# Altium PCB RP2040_ESP32-C3 Dev Board.PcbDoc (part 1 of 2)
Units mm, origin at the board's own origin, x right, y up, seen from the top; angles counter-clockwise.
Board outline 74.1 x 34.1 mm, 6 copper layers (Top Layer, Layer 2, GND Plane, PWR Plane, Layer 5, Bottom Layer), stack 1.412 mm thick; 136 components, 117 nets, 551 pads, 238 vias.
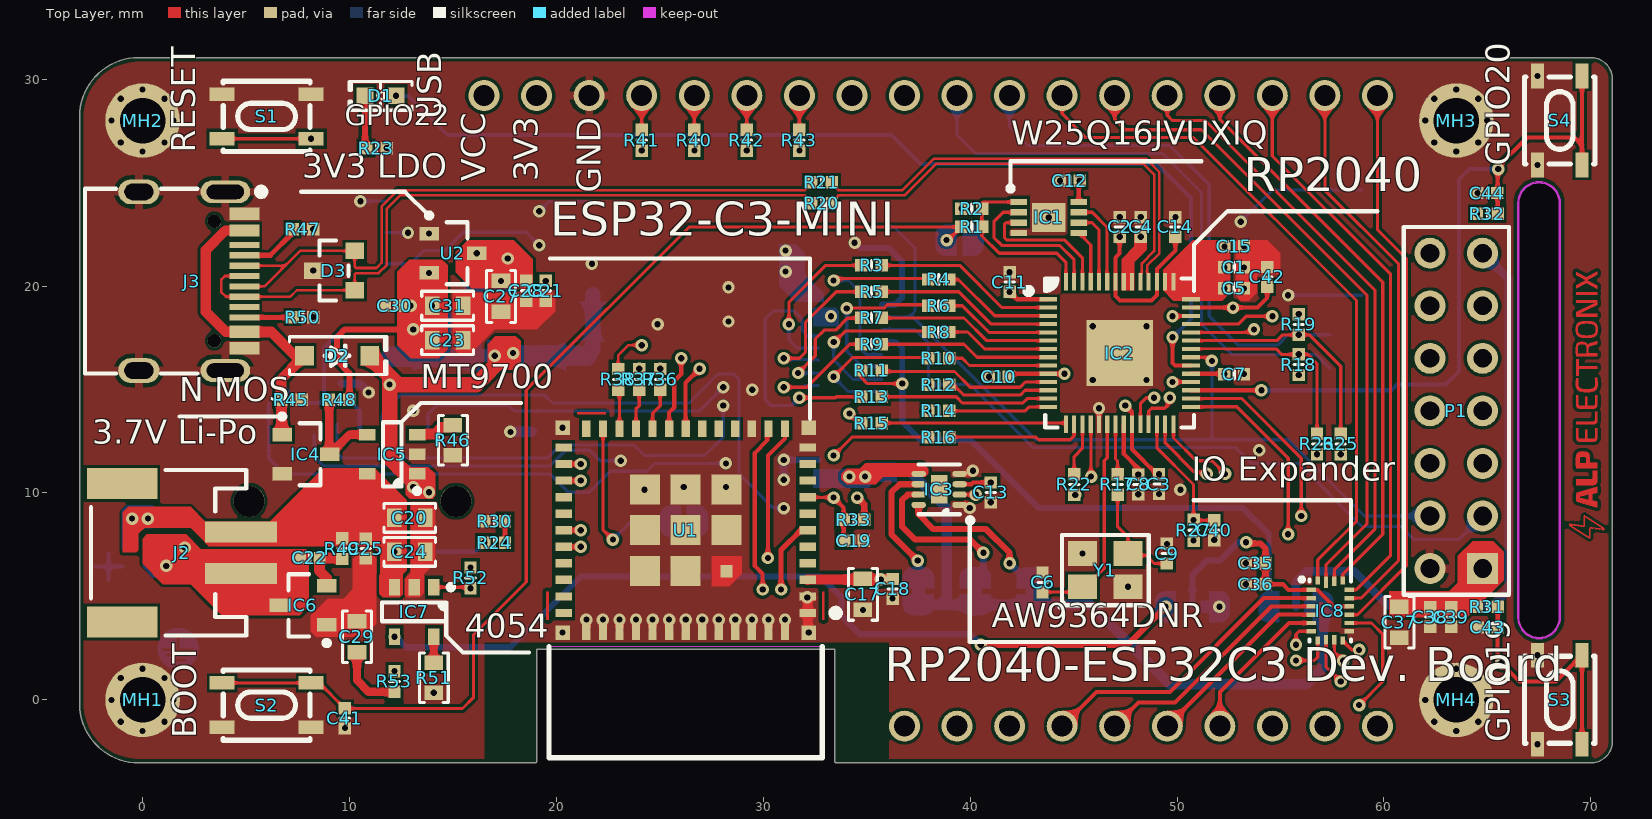
[diagram p0: Top Layer view]
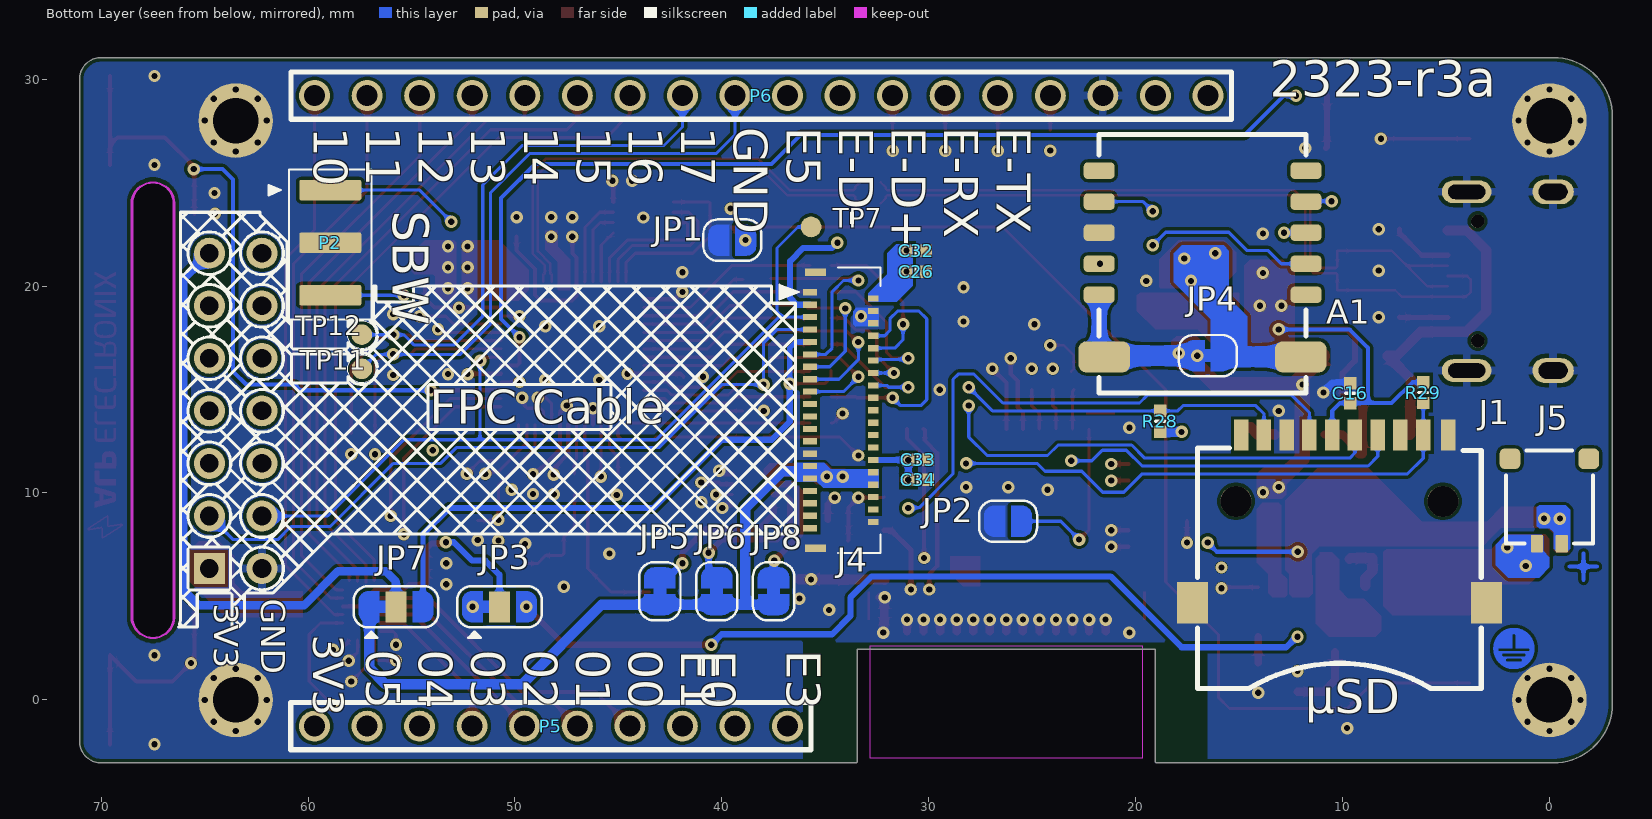
[diagram p1: Bottom Layer view, seen from below]
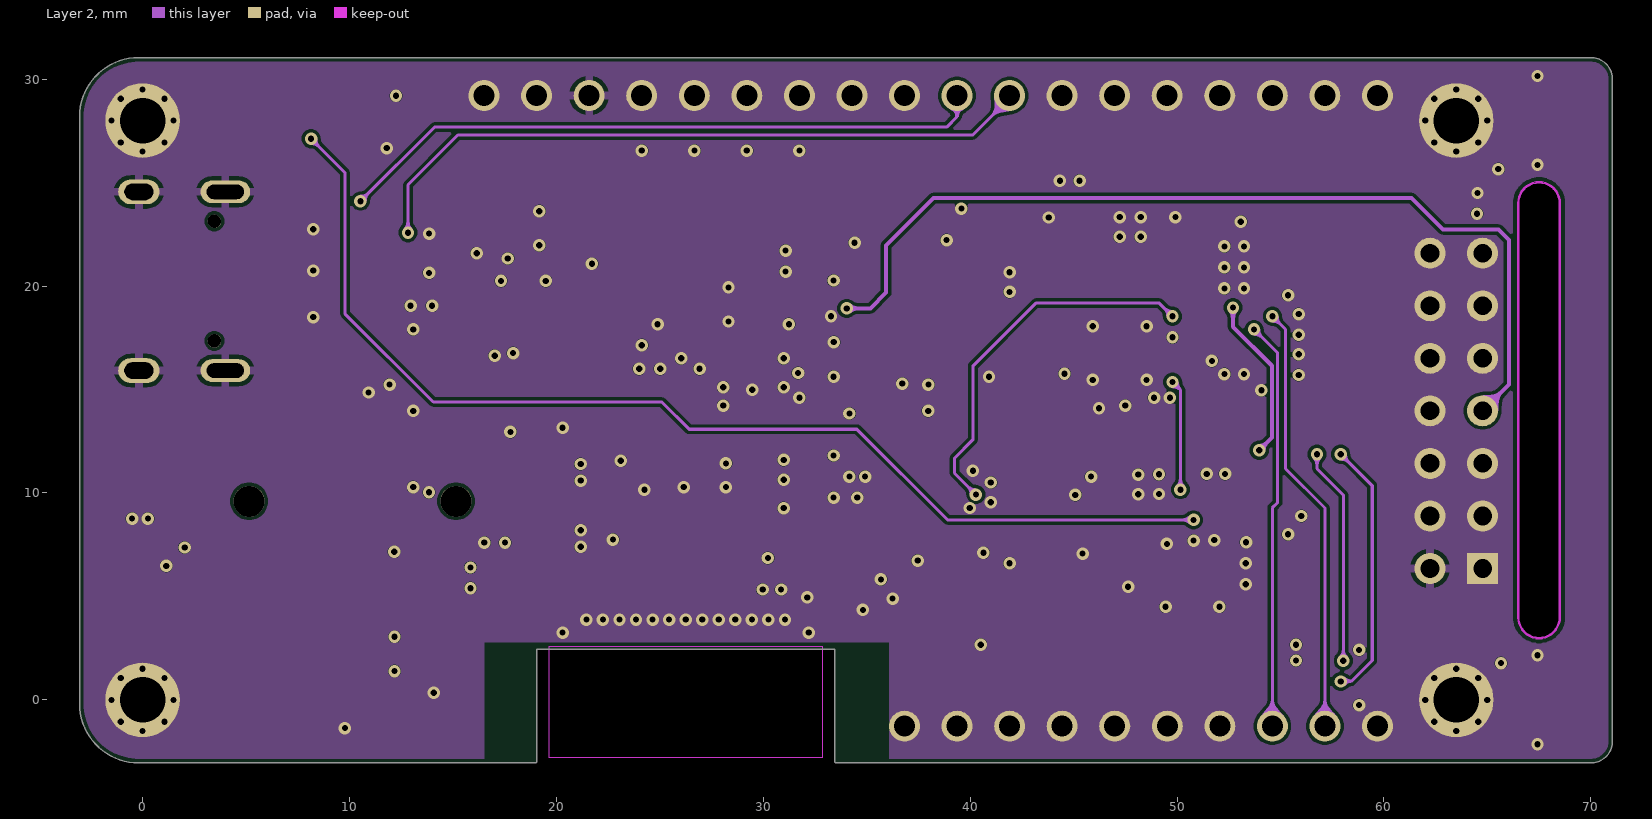
[diagram p2: Layer 2]
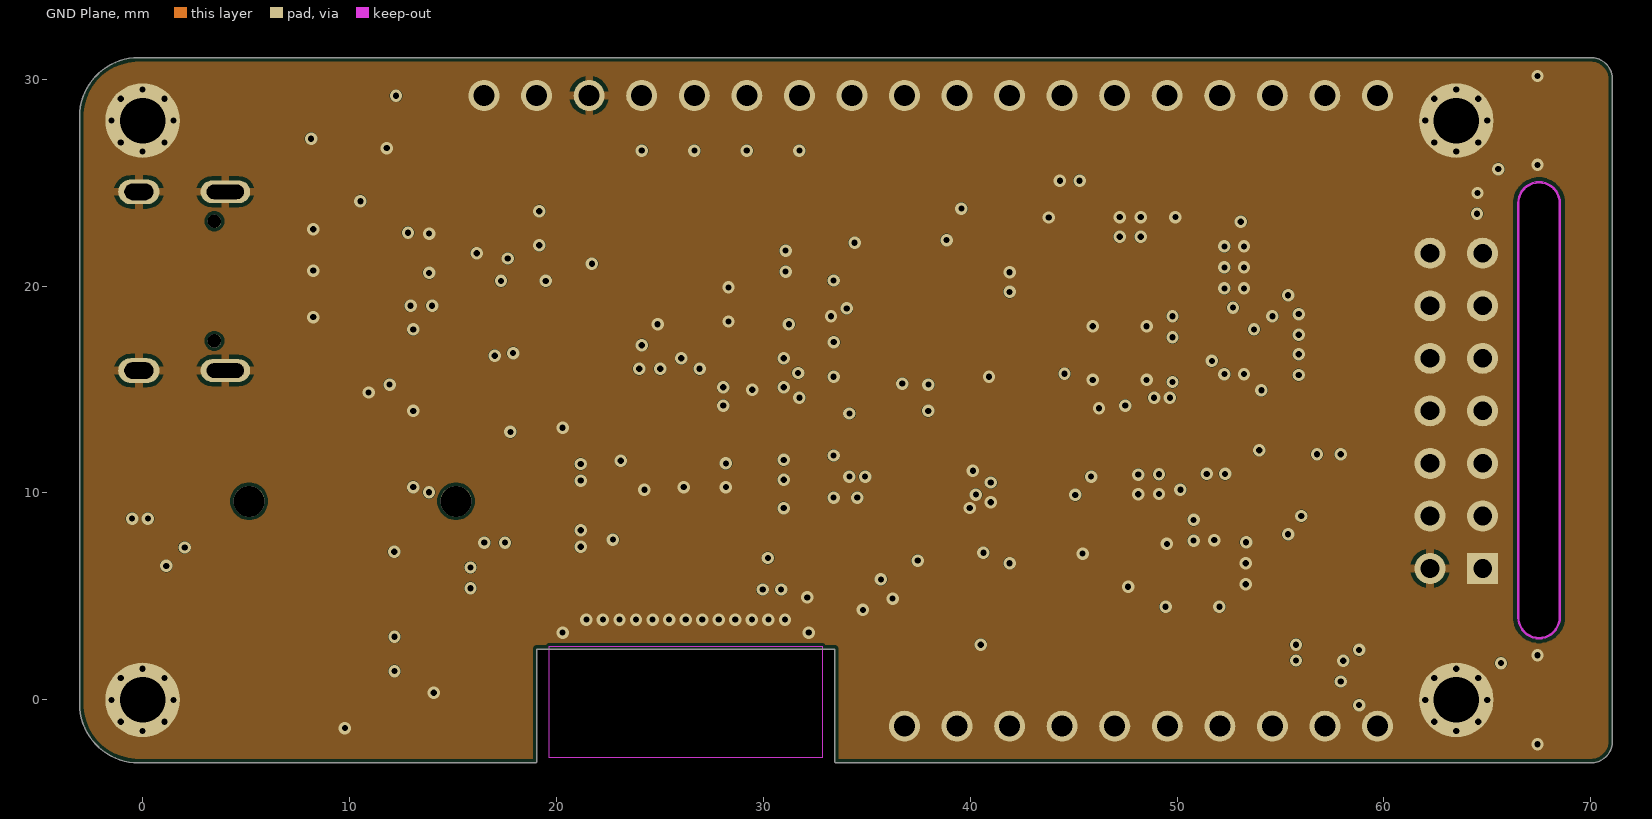
[diagram p3: GND Plane]
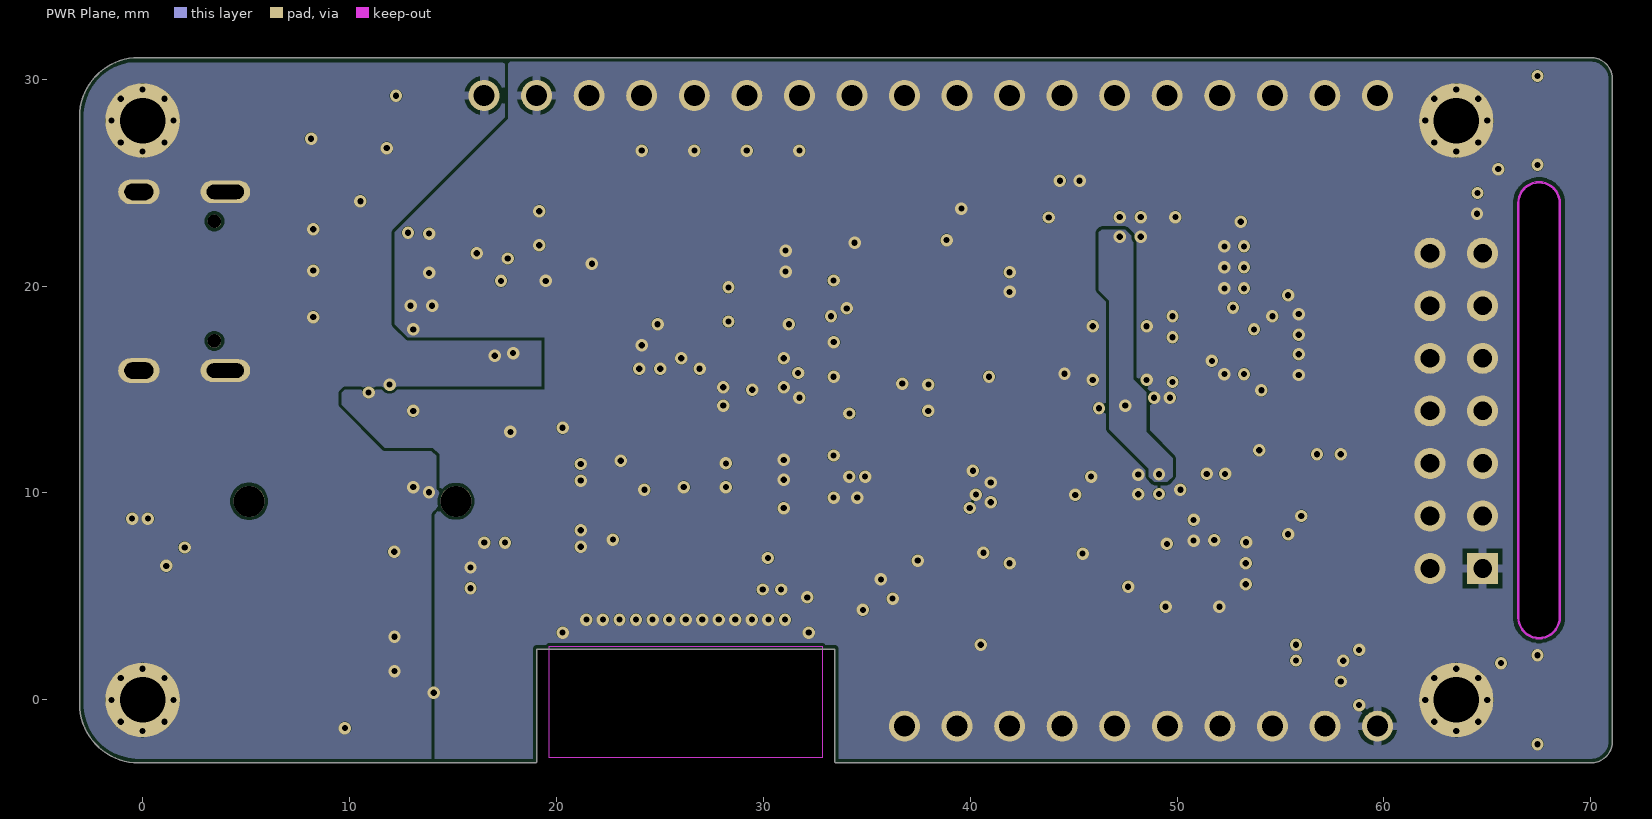
[diagram p4: PWR Plane]
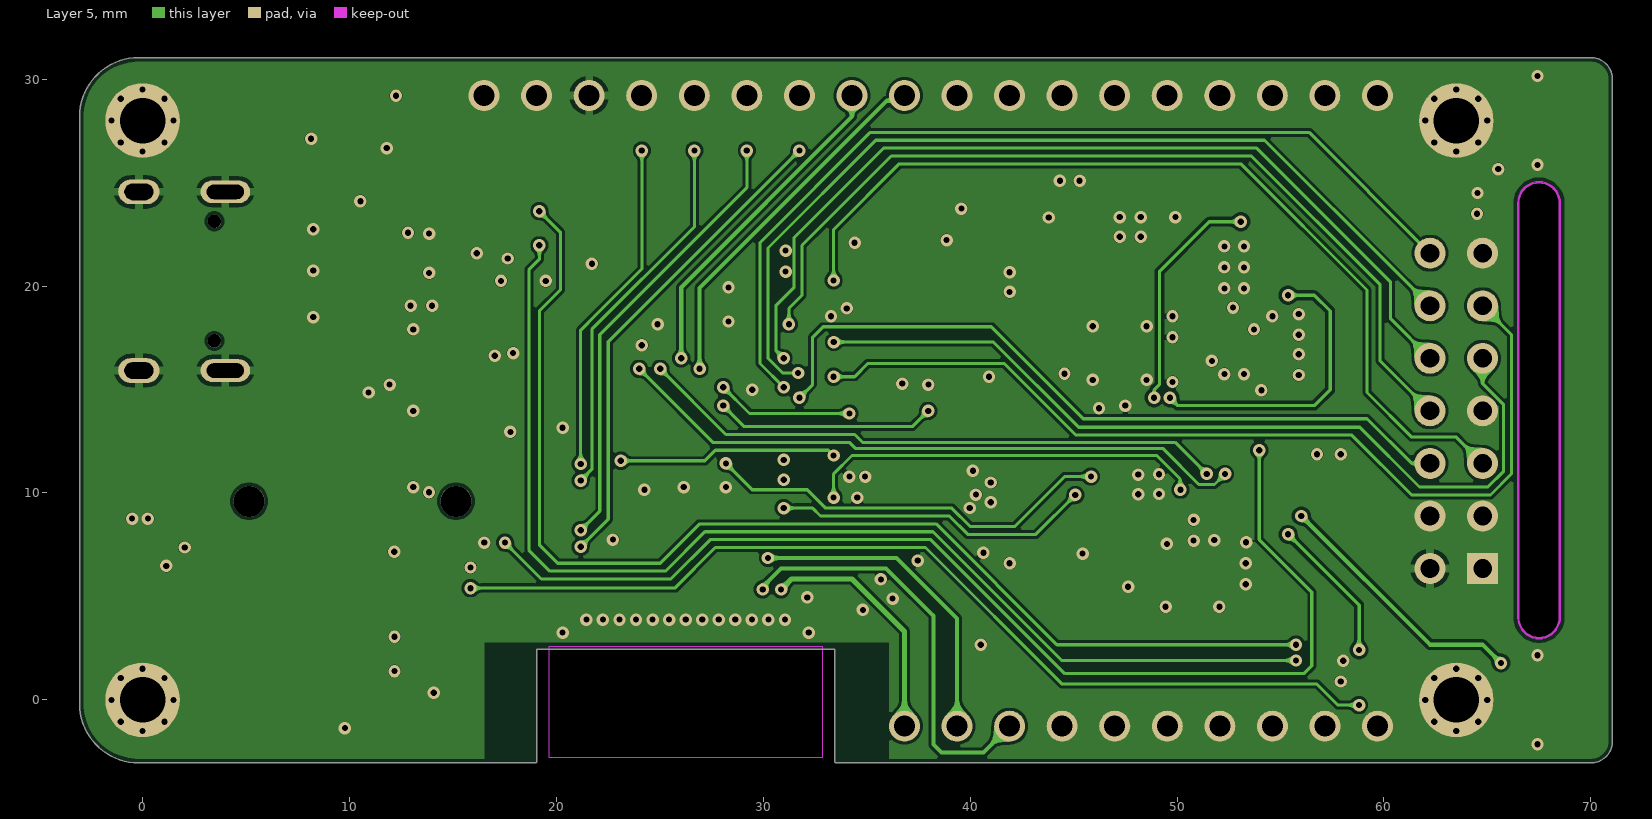
[diagram p5: Layer 5]
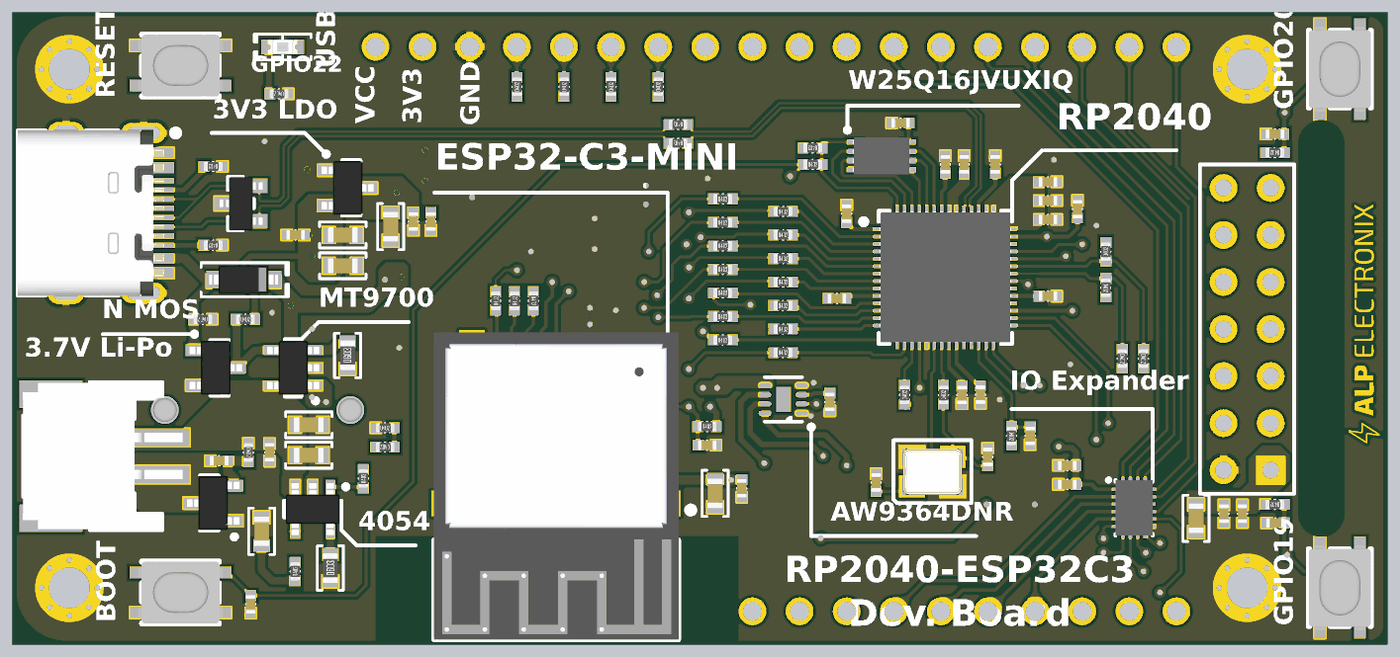
[diagram p7: 3D render of the assembled board from above, using the file's embedded part models]
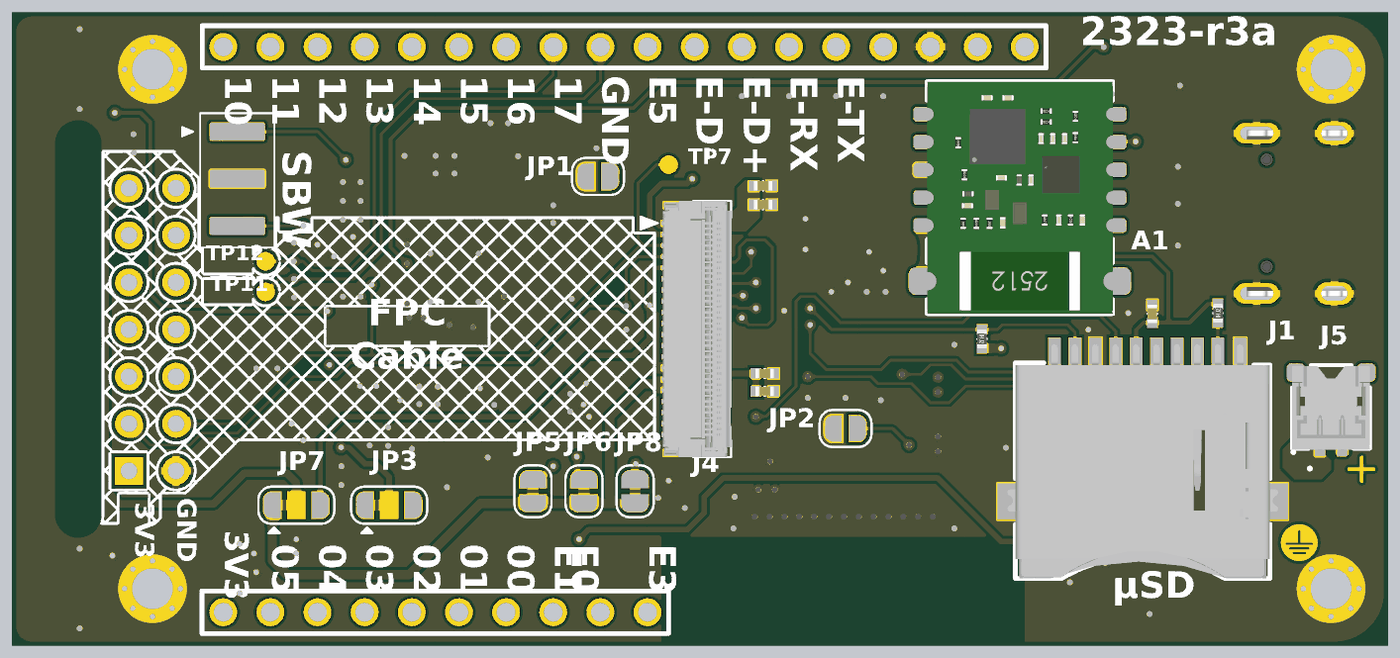
[diagram p8: 3D render of the assembled board from below, using the file's embedded part models]

## Layer stack, top to bottom
Top Solder: solder mask 0.0203, SM-001, Dk 3.8
Top Layer: signal copper 0.035
Dielectric 1: prepreg 0.0994, PP-015, Dk 4.3
Layer 2: signal copper 0.0152
Dielectric 2: core 0.35, PP-006, Dk 4.1
GND Plane: signal copper 0.152
Dielectric 3: prepreg 0.1088, PP-016, Dk 4.4
PWR Plane: signal copper 0.152
Dielectric 4: core 0.35, PP-006, Dk 4.1
Layer 5: signal copper 0.0152
Dielectric 5: prepreg 0.0994, PP-015, Dk 4.3
Bottom Layer: signal copper 0.035
Bottom Solder: solder mask 0.0203, SM-001, Dk 3.8

## Board outline
-3.05,-0.181 ccw(c-0.181,-0.181) -0.181,-3.05 19,-3.05 19.05,-3 19.05,2.45 33.45,2.45 33.45,-3 33.5,-3.05 65.181,-3.05 65,-3.05 70,-3.05 ccw(c70,-2) 71.05,-2 71.05,30 ccw(c70,30) 70,31.05 -0.181,31.05 ccw(c-0.181,28.181) -3.05,28.181
cut-out: 66.45,4 ccw(c67.5,4) 67.5,2.95 ccw(c67.5,4) 68.55,4 68.55,24 ccw(c67.5,24) 67.5,25.05 ccw(c67.5,24) 66.45,24

## Design rules (kind name [scope] priority, off if disabled: settings)
BoardOutlineClearance [All] p1: gap=0.2 ignorepadtopadclearanceinfootprint=FALSE
Clearance Clearance_Polygon [InPolygon] p1: gap=0.15 ignorepadtopadclearanceinfootprint=FALSE
Clearance [All] p2: gap=0.102 ignorepadtopadclearanceinfootprint=FALSE
ComponentClearance ComponentClearance_1 [InComponent('A1') vs InComponent('JP4')] p1: gap=0 collisioncheckmode=3 verticalgap=0 showdistances=FALSE
ComponentClearance [All] p2: gap=0.1 collisioncheckmode=3 verticalgap=0.1 showdistances=FALSE
DiffPairsRouting [InDifferentialPairClass('USB_90')] p1: maxlimit=0.127 minlimit=0.127 mostfreqgap=0.127 toplayer_minwidth=0.124 toplayer_maxwidth=0.124 toplayer_prefwidth=0.124 midlayer1_minwidth=0.108 midlayer1_maxwidth=0.108 midlayer1_prefwidth=0.108 midlayer2_minwidth=0.108 midlayer2_maxwidth=0.108 midlayer2_prefwidth=0.108 midlayer3_minwidth=0.081 midlayer3_maxwidth=0.081 midlayer3_prefwidth=0.081 midlayer4_minwidth=0.081 midlayer4_maxwidth=0.081 midlayer4_prefwidth=0.081 bottomlayer_minwidth=0.124 bottomlayer_maxwidth=0.124 bottomlayer_prefwidth=0.124 impedanceprofiledriven=TRUE impedanceprofileid={86D9DA90-CE68-4FFB-BCFA-5CF919EC803C} impedanceprofilevalue=90.000000 maxuncoupledlength=12.7
HoleToHoleClearance [All] p1: gap=0.5 allowstackedmicrovias=TRUE
MinimumSolderMaskSliver [All] p1: minsoldermaskwidth=0.2
PasteMaskExpansion [All] p1: expansion=-0.02
PolygonConnect [All] p1: thpad.connectstyle=Relief thpad.reliefconductorwidth=0.4 thpad.reliefentries=4 thpad.polygonreliefangle="90 Angle" thpad.airgapwidth=0.2 smdpad.connectstyle=Direct smdpad.reliefconductorwidth=0.254 smdpad.reliefentries=4 smdpad.polygonreliefangle="90 Angle" smdpad.airgapwidth=0.254 via.connectstyle=Direct via.reliefconductorwidth=0.254 via.reliefentries=4 via.polygonreliefangle="90 Angle" via.airgapwidth=0.254
RoutingVias [All] p1: holewidth=0.3 width=0.6 viastyle="Through Hole" minholewidth=0.2 minwidth=0.4 maxholewidth=1 maxwidth=1.5
SilkToSilkClearance [All] p1: silktosilkclearance=0.15
SilkToSolderMaskClearance [IsPad] p1: minsilkscreentomaskgap=0.15 clearancetoexposedcopper=TRUE
SolderMaskExpansion [All] p1: expansion=0.05 istentingtop=FALSE
Width [All] p1: maxlimit=2 minlimit=0.127 preferedwidth=0.4
23 further rules are at their usual default settings.

## Classes and differential pairs
component class Information: MH1 MH2 MH3 MH4
differential pair class USB_90: USB USBX
component class Interface: C13 C26 C32 C33 C34 C35 C36 C37 C38 C39 C43 C44 IC3 IC8 J4 JP3 JP5 JP6 JP7 JP8 P1 P5 P6 R25 R26 R31 R32 S3 S4
component class RP2040: C1 C2 C3 C4 C5 C6 C7 C8 C9 C10 C11 C12 C14 C15 C16 C40 C41 C42 D1 IC1 IC2 J1 JP1 P2 R1 R2 R3 R4 R5 R6 R7 R8 R9 R10 R11 R12 R13 R14 R15 R16 R17 R18 R19 R20 R21 R22 R23 R24 R27 R28 R29 R30 S1 S2 TP7 TP11 TP12 Y1
component class Power: A1 C20 C21 C22 C23 C24 C25 C27 C28 C29 C30 C31 D2 D3 IC4 IC5 IC6 IC7 J2 J3 J5 JP4 R45 R46 R47 R48 R49 R50 R51 R52 R53 U2
component class "ESP32-C3 Module": C17 C18 C19 JP2 R33 R36 R37 R38 R40 R41 R42 R43 U1
differential pair USBX: +USBX_P -USBX_N
differential pair USB: +USB_P -USB_N

## Components (designator, comment, footprint, x,y, rotation, side; value= is the part's Value field where it differs from the comment)
A1 "SmartShunt-Pico24" SmartShunt-Pico24 16.764,21.082 r0 bottom locked
C1 "0.10uF" "CAP 0402/1005" 52.765,20.904 r180 top
C2 "0.10uF" "CAP 0402/1005" 47.228,22.86 r270 top
C3 "0.10uF" "CAP 0402/1005" 49.128,10.428 r90 top
C4 "0.10uF" "CAP 0402/1005" 48.244,22.86 r270 top
C5 "0.10uF" "CAP 0402/1005" 52.765,19.888 r180 top
C6 "30pF" "CAP 0402/1005" 43.5,5.682 r270 top
C7 "0.10uF" "CAP 0402/1005" 52.765,15.748 r180 top
C8 "0.10uF" "CAP 0402/1005" 48.128,10.414 r90 top
C9 "30pF" "CAP 0402/1005" 49.514,7.066 r270 top
C10 "0.10uF" "CAP 0402/1005" 41.386,15.621 r0 top
C11 "0.10uF" "CAP 0402/1005" 41.91,20.193 r270 top
C12 "0.10uF" "CAP 0402/1005" 44.815,25.095 r0 top
C13 "0.10uF" "CAP 0402/1005" 41,10.031 r90 top
C14 "1uF" "CAP 0402/1005" 49.92,22.86 r270 top
C15 "1uF" "CAP 0402/1005" 52.765,21.92 r180 top
C16 "0.10uF" "CAP 0402/1005" 9.627,14.821 r270 bottom
C17 "10uF" "CAP 0603/1608" 34.818,5.1 r90 top
C18 "0.10uF" "CAP 0402/1005" 36.25,5.368 r90 top
C19 "1uF" "CAP 0402/1005" 34.384,7.701 r180 top
C20 "10uF" "CAP 0603/1608" 12.909,8.8 r180 top
C21 "1uF" "CAP 0402/1005" 19.494,19.775 r90 top
C22 "0.10uF" "CAP 0402/1005" 8.077,6.858 r0 top
C23 "10uF" "CAP 0603/1608" 14.744,17.386 r180 top
C24 "10uF" "CAP 0603/1608" 12.909,7.158 r180 top
C25 "1uF" "CAP 0402/1005" 10.795,7.315 r90 top
C26 "0.10uF" "CAP 0402/1005" 30.607,20.701 r0 bottom
C27 "10uF" "CAP 0603/1608" 17.324,19.5 r90 top
C28 "1uF" "CAP 0402/1005" 18.554,19.775 r90 top
C29 "10uF" "CAP 0603/1608" 10.362,3.05 r270 top
C30 "1uF" "CAP 0402/1005" 12.192,19.05 r0 top
C31 "10uF" "CAP 0603/1608" 14.744,19.05 r180 top
C32 "1uF" "CAP 0402/1005" 30.607,21.717 r0 bottom
C33 "0.10uF" "CAP 0402/1005" 30.513,11.6 r0 bottom
C34 "1uF" "CAP 0402/1005" 30.513,10.642 r0 bottom
C35 "1uF" "CAP 0402/1005" 53.8,6.604 r0 top
C36 "0.10uF" "CAP 0402/1005" 53.8,5.588 r0 top
C37 "10uF" "CAP 0603/1608" 60.75,3.75 r90 top
C38 "1uF" "CAP 0402/1005" 62.25,4 r90 top
C39 "0.10uF" "CAP 0402/1005" 63.25,4 r90 top
C40 "1000pF" "CAP 0402/1005" 51.8,8.2 r90 top
C41 "1000pF" "CAP 0402/1005" 9.779,-0.889 r90 top
C42 "1000pF" "CAP 0402/1005" 54.356,20.447 r270 top
C43 "1000pF" "CAP 0402/1005" 65.025,3.5 r0 top
C44 "1000pF" "CAP 0402/1005" 65,24.5 r0 top
D1 "Green" "LED 0603/1608 GREEN" 11.5,29.2 r180 top
D2 "CDBW0520L-G" SOD-123 9.398,16.637 r0 top
D3 "CESDBLC5V0AP" "ON SEMI SOT-23-3" 9.25,20.75 r180 top
IC1 "W25Q16JVUXIQ" SON50P300X200X60-9N 43.799,23.317 r0 top
IC2 "RP2040" QFN40P700X700X90-57N-D 47.228,16.764 r0 top locked
IC3 "AW9364DNR" "MAXIM TDFN-8 2X2MM" 38.5,10.175 r180 top
IC4 "2N7002-7-F" "DIODES SOT-23-3" 7.895,11.872 r0 top
IC5 "MT9700" "DIODES SOT-23-5 W5" 12.065,11.872 r180 top
IC6 "XYSEMI XB3306A" "DIODES SOT-23-3" 7.747,4.572 r180 top
IC7 "LP4054HB5F" "DIODES SOT-23-5 W5" 13.125,4.25 r270 top
IC8 "SLG46826VTR" SLG46826VTR 57.404,4.318 r0 top
J1 "HYCW110-TF10-180B" HYCW110-TF10-180B 10.148,7.022 r180 bottom locked
J2 "A2001WR-S-2P" "JST S2B-PH-SM4-TB" 0.508,7.112 r90 top
J3 "HCTL HC-TYPE-C-16P-01A" "HCTL HC-TYPE-C-16P-01A" 1.5,20.238 r270 top locked
J4 "502598-3993" 5025983993 34.1,14 r270 bottom locked
J5 "781710002" "Molex 781710002" 0,9.75 r0 bottom
JP1 "Solder Jumper 2 Pin Open" SolderJumper-2_P1.3mm_Open_RoundedPad1.0x1.5mm 39.497,22.225 r180 bottom net-tie
JP2 "Solder Jumper 2 Pin Open" SolderJumper-2_P1.3mm_Open_RoundedPad1.0x1.5mm 26.162,8.636 r180 bottom net-tie
JP3 "Solder Jumper 3 Pin 1-2 Bridged" SolderJumper-3_P1.3mm_Bridged12_RoundedPad1.0x1.5mm 50.75,4.5 r180 bottom net-tie
JP4 "Solder Jumper 2 Pin Bridged" SolderJumper-2_P1.3mm_Bridged_RoundedPad1.0x1.5mm#1 16.51,16.637 r180 bottom net-tie
JP5 "Solder Jumper 2 Pin Bridged" SolderJumper-2_P1.3mm_Bridged_RoundedPad1.0x1.5mm#1 43,5.25 r270 bottom net-tie
JP6 "Solder Jumper 2 Pin Bridged" SolderJumper-2_P1.3mm_Bridged_RoundedPad1.0x1.5mm#1 40.25,5.25 r270 bottom net-tie
JP7 "Solder Jumper 3 Pin 1-2 Bridged" SolderJumper-3_P1.3mm_Bridged12_RoundedPad1.0x1.5mm 55.75,4.5 r180 bottom net-tie
JP8 "Solder Jumper 2 Pin Bridged" SolderJumper-2_P1.3mm_Bridged_RoundedPad1.0x1.5mm#2 37.5,5.25 r270 bottom net-tie
MH1 "Screw Hole" "M3 SCREW" 0,0 r0 top
MH2 "Screw Hole" "M3 SCREW" 0,28 r0 top
MH3 "Screw Hole" "M3 SCREW" 63.5,28 r0 top
MH4 "Screw Hole" "M3 SCREW" 63.5,0 r0 top
P1 "Header 7X2" HDR2X7 64.77,6.35 r90 top
P2 "Header 3" "3 PADS FOR SBW" 58.928,24.638 r270 bottom
P5 "Header 10" "Female Header 2.54mm - 10 Pin" 36.83,-1.27 r0 bottom
P6 "Header 18" "Female Header 2.54mm - 18 Pin" 59.686,29.21 r180 bottom
R1 "1k" "RES 0402/1005" 40.078,22.86 r0 top
R2 "10k" "RES 0402/1005" 40.078,23.749 r180 top
R3 "27.4" "RES 0402/1005" 35.233,21.001 r0 top
R4 "27.4" "RES 0402/1005" 38.481,20.32 r0 top
R5 "27.4" "RES 0402/1005" 35.233,19.731 r0 top
R6 "27.4" "RES 0402/1005" 38.481,19.05 r0 top
R7 "27.4" "RES 0402/1005" 35.233,18.461 r0 top
R8 "27.4" "RES 0402/1005" 38.481,17.78 r0 top
R9 "27.4" "RES 0402/1005" 35.233,17.191 r0 top
R10 "27.4" "RES 0402/1005" 38.481,16.51 r0 top